# Altium PCB sommotor.PcbDoc (part 2 of 3) (continued)
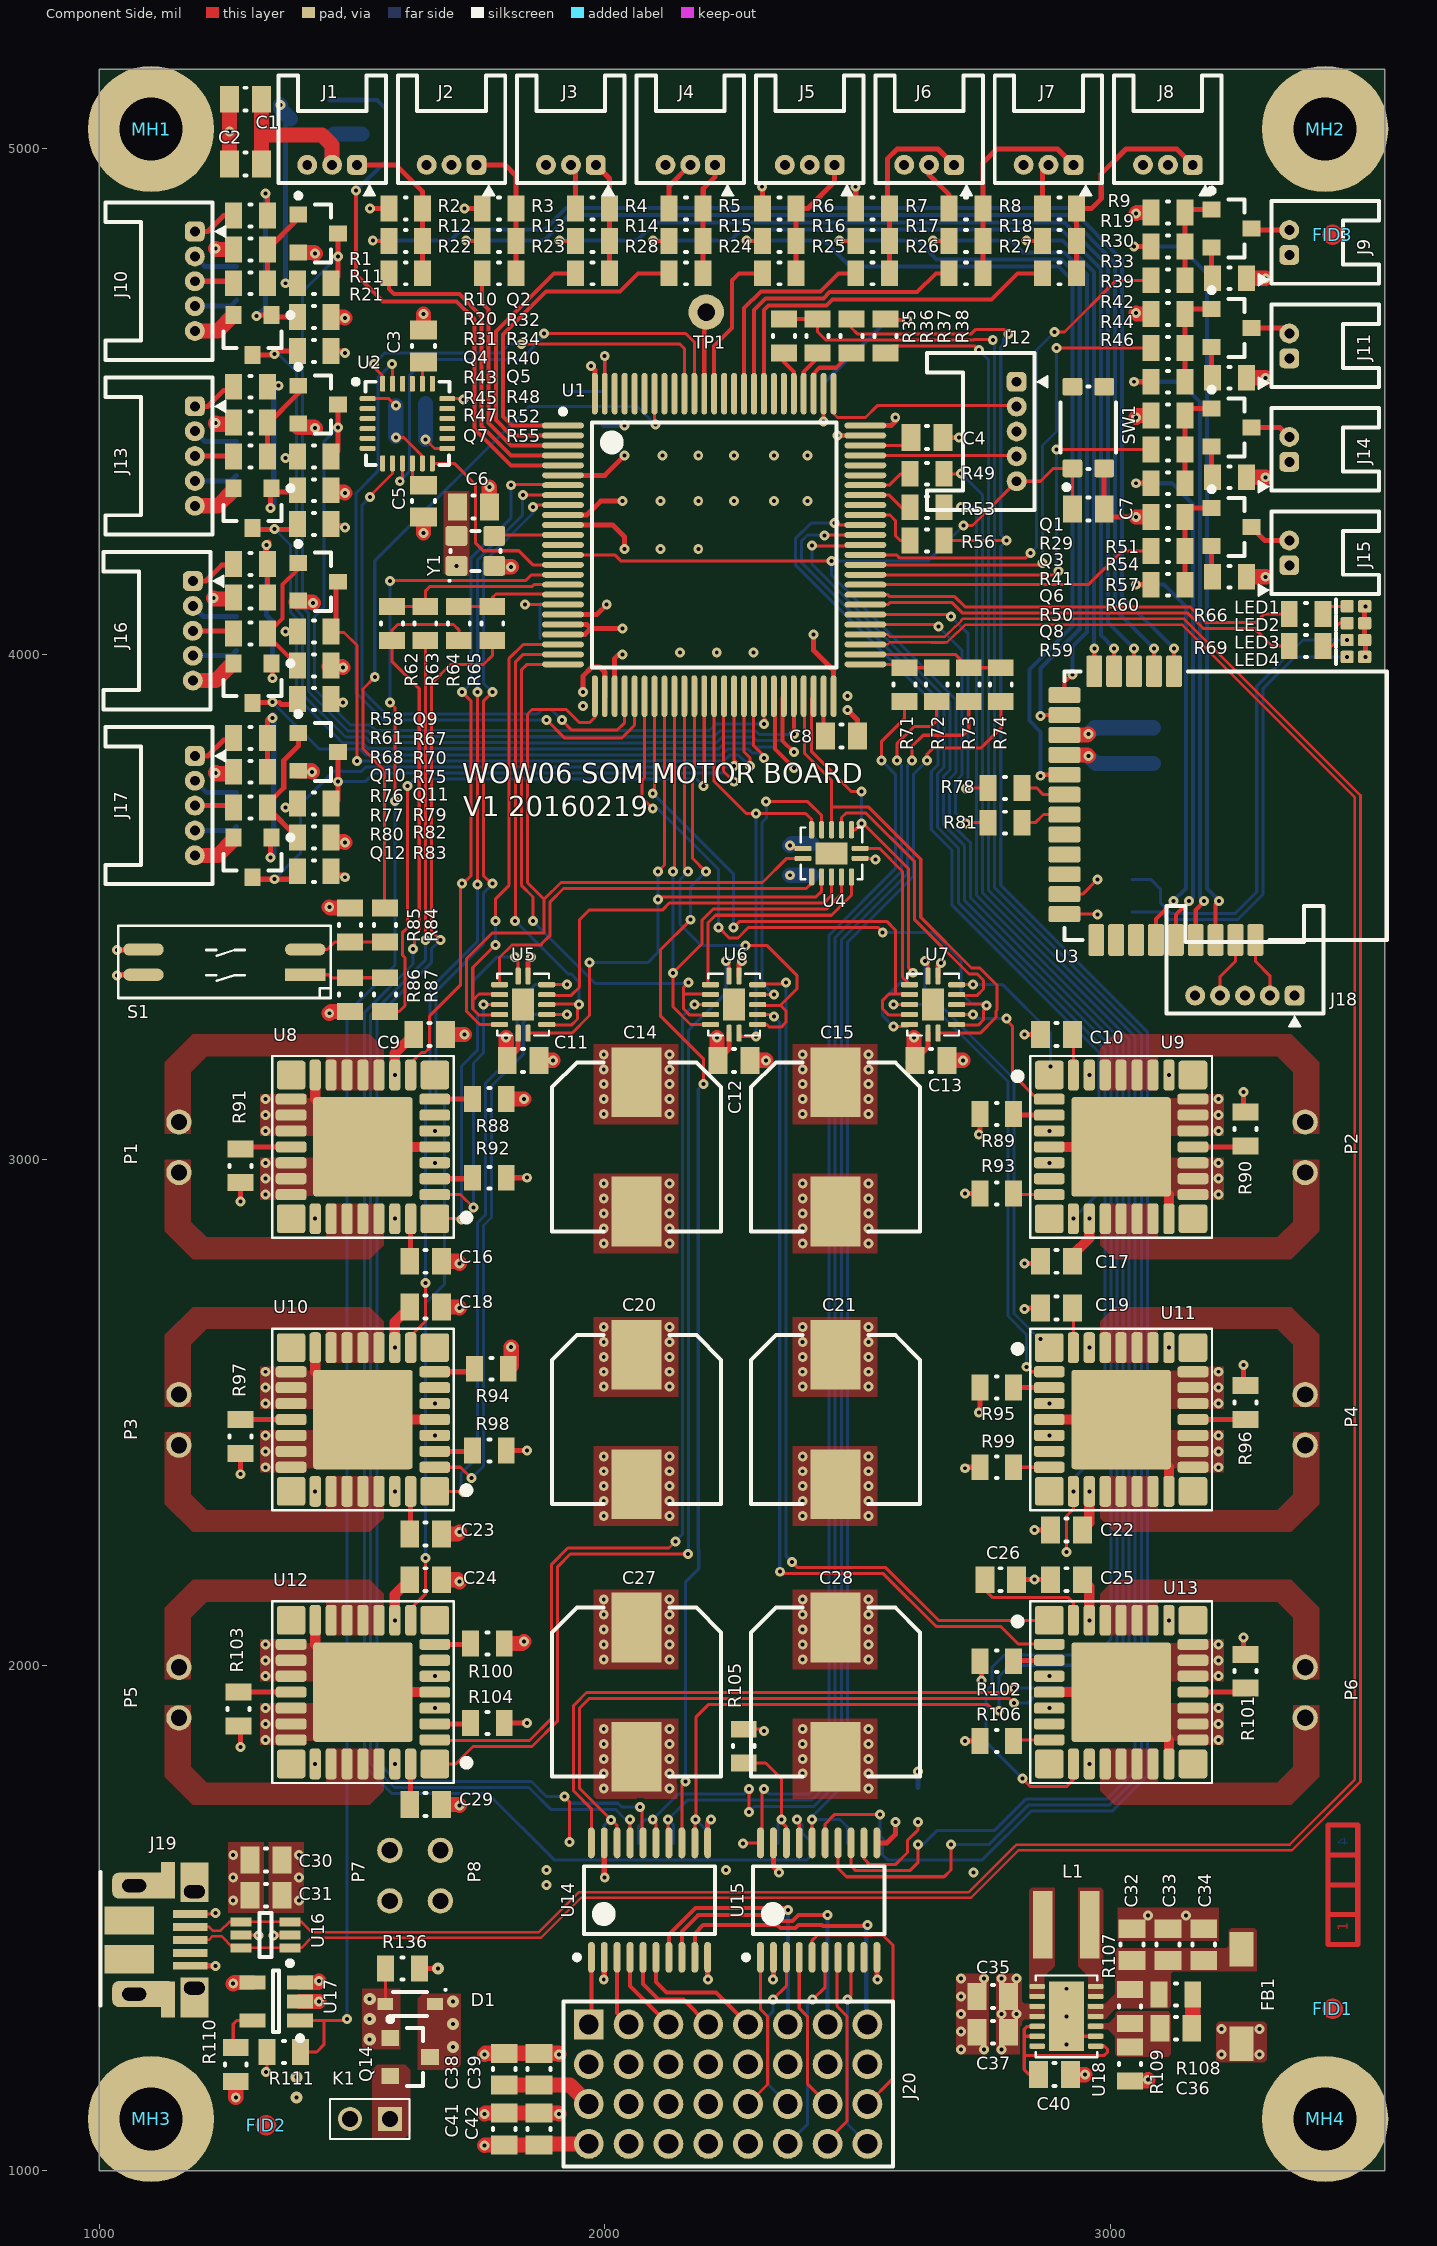
[diagram p0: Component Side view]
## Nets (pads, with @x,y where several pads share a name; then routed paths per layer and width w, separated by ;. In a path a pad name is that pad's centre, name@x,y a point inside that pad or via, vN(x,y) a via of type N, cw(c..) or ccw(c..) an arc to the next point about the centre after c; other vN are vias at no path point) (continued)
  Solder Side w6: R127.2@2480.31,1647.64 2480.31,1680 2465.31,1695 v1(2410,1695) 2410,1700 2480,1770 2480,3429.85 2611,3560.85 2611,3763 v1(2638,3790)
I2S3_CLK: R37.2 R56.2 R126.2 U15.15 | length 4291.6
  Component Side w6: U15.15@2436.02,1648.62 2436.02,1686.02 2455,1705 v1(2545,1705) ; R37.2@2488.19,4663.39 2488.19,4645.67 2499.67,4634.19 2558.91,4634.19 2558.96,4634.24 2725.36,4634.24 2734.17,4643.05 2790.02,4643.05 v1(2799.21,4633.86) ; R56.2@2671.26,4225 v1(2795,4225)
  Solder Side w6: v1(2545,1705) 2545,1662.28 2554.43,1652.85 R126.2@2549.21,1647.64 2549.21,1625.79 2560,1615 2746.97,1615 2843.81,1711.84 3004.13,1711.84 3073.5,1781.21 3073.5,3253.27 2783.46,3543.31 2783.46,3635.88 2784,3636.42 2784,3693.58 2783.46,3694.12 2783.46,3705.88 2784,3706.42 2784,3763.58 2783.46,3764.12 2783.46,4213.46 v1(2795,4225) 2783.46,4236.54 2783.46,4608.1 2788.72,4613.35 2788.72,4623.36 v1(2799.21,4633.86)
I2S3_SD: R35.2 R36.2 R124.2 U15.14 | length 4176.1
  Component Side w6: R36.2@2421.26,4663.39 2421.26,4637.8 2436.87,4622.19 2563.88,4622.19 2563.93,4622.24 2730.33,4622.24 2731.46,4623.36 2766.4,4623.36 v1(2767.72,4622.05) ; U15.14@2461.61,1648.62 2461.61,1598.39 2478.44,1581.56 2671.56,1581.56 2685,1595 v1(2685,1645)
  Component Side w8: R35.2@2354.33,4663.39 R36.2@2421.26,4663.39
  Solder Side w6: v1(2685,1645) 2760,1645 2838.84,1723.84 2999.16,1723.84 3061.5,1786.18 3061.5,3248.3 2771.46,3538.34 2771.46,3640.85 2772,3641.39 2772,3688.61 2771.46,3689.15 2771.46,3710.85 2772,3711.39 2772,3758.61 2771.46,3759.15 2771.46,4618.3 v1(2767.72,4622.05)
I2S3_WS: R38.1 U1.77 | length 391.6
  Component Side w8: v1(2433.07,4460.63) U1.77@2433.07,4515.75 ; R38.1@2555.12,4663.39 2557.09,4661.42 v1(2598.43,4661.42)
  Solder Side w8: v1(2433.07,4460.63) 2433.07,4535.43 2559.06,4661.42 v1(2598.43,4661.42)
IMU_INT#: U1.15 U2.12 | length 409.2
  Component Side w6: U2.12@1658.96,4377.95 1702.05,4377.95 1743.95,4336.05 1743.95,4220.61 1759.56,4205 1830,4205 1857.83,4177.17 U1.15@1917.32,4177.17
IMU_MISO: U1.90 U2.9 | length 965.5
  Component Side w6: v1(1594.48,4342.51) 1599.9,4347.93 U2.9@1599.9,4377.95 ; v1(1880,4635) 2160,4635 2177.17,4617.83 U1.90@2177.17,4515.75
  Solder Side w6: v1(1594.48,4342.51) 1614.17,4362.2 1614.17,4552.5 1645.48,4583.8 1834.5,4583.8 1880,4629.3 v1(1880,4635)
IMU_MOSI: U1.91 U2.24 | length 773.8
  Component Side w6: v1(1543.31,4574.8) 1542.25,4574.8 1539.37,4571.92 1560.53,4550.76 U2.24@1560.53,4535.43 ; v1(1835,4614) 2148.56,4614 2157.48,4605.08 U1.91@2157.48,4515.75
  Solder Side w6: v1(1543.31,4574.8) 1564.31,4595.8 1792.65,4595.8 1810.85,4614 v1(1835,4614)
IMU_SCLK: U1.30 U2.23 | length 1376
  Component Side w6: v1(1578.74,4574.8) 1580.22,4573.33 U2.23@1580.22,4535.43 ; v1(1885,3870) 1920,3835 2034.06,3835 2059.06,3860 U1.30@2059.06,3917.32
  Solder Side w6: v1(1578.74,4574.8) 1551.18,4547.24 1551.18,4362.39 1507.68,4318.9 1507.68,3924.16 1561.85,3870 v1(1885,3870)
IMU_SS#: U1.29 U2.8 | length 1092.3
  Component Side w6: v1(1535.43,4311.02) 1535.43,4313.16 1580.22,4357.94 U2.8@1580.22,4377.95 ; v1(1915,3870) 1935,3850 2024.37,3850 2039.37,3865 U1.29@2039.37,3917.32
  Solder Side w6: v1(1535.43,4311.02) 1519.68,4295.28 1519.68,3929.13 1566.82,3882 1867.3,3882 1876.3,3891 1893.7,3891 1902.85,3881.85 1903.15,3881.85 v1(1915,3870)
LED1: R66.2 U1.58 | length 868.1
  Component Side w6: U1.58@2515.75,4118.11 2560.09,4118.11 2563.93,4114.27 2692.4,4114.27 2713.11,4093.56 3158.42,4093.56 3188.49,4063.49 3288.49,4063.49 3305.12,4080.12 R66.2@3354.33,4080.12
LED2: R69.2 U1.57 | length 875.8
  Component Side w6: U1.57@2515.75,4098.43 2560.09,4098.43 2563.93,4102.27 2687.43,4102.27 2708.14,4081.56 3153.44,4081.56 3175,4060 3183.51,4051.49 3285,4051.49 3320.11,4016.38 R69.2@3354.33,4016.38
LED3: R121.2 U3.16 | length 77.7
  Component Side w6: U3.16@2909.45,3525.59 2945.59,3525.59 v1(2975,3555)
LED4: R122.2 U3.17 | length 66.1
  Component Side w6: U3.17@2909.45,3486.22 2973.78,3486.22 v1(2975,3485)
M1+: P1.1 U8.12 U8.13 U8.14 U8.15
M1-: P1.2 U8.27 U8.28 U8.29 U8.30
M2+: P3.1 U10.12 U10.13 U10.14 U10.15
M2-: P3.2 U10.27 U10.28 U10.29 U10.30
M3+: P5.1 U12.12 U12.13 U12.14 U12.15
M3-: P5.2 U12.27 U12.28 U12.29 U12.30
M4+: P2.1 U9.12 U9.13 U9.14 U9.15
M4-: P2.2 U9.27 U9.28 U9.29 U9.30
M5+: P4.1 U11.12 U11.13 U11.14 U11.15
M5-: P4.2 U11.27 U11.28 U11.29 U11.30
M6+: P6.1 U13.12 U13.13 U13.14 U13.15
M6-: P6.2 U13.27 U13.28 U13.29 U13.30
NetC3_1: C3.1 U2.20 | length 56.1
  Component Side w6: U2.20@1639.27,4535.43 1639.27,4588.09 C3.1@1641.73,4590.55
NetC4_2: C4.2 U1.73 | length 97.1
  Component Side w6: U1.73@2515.75,4413.39 2590.55,4413.39 C4.2@2606.3,4429.13
NetC5_1: C5.1 U2.10 | length 43.9
  Component Side w6: C5.1@1618.11,4334.65 1619.59,4336.12 U2.10@1619.59,4377.95
NetC8_2: C8.2 U1.49 | length 80.4
  Component Side w8: U1.49@2433.07,3917.32 2433.07,3842.52 C8.2@2437.01,3838.58
NetC10_2: C10.2 U9.32 | length 81.1
  Component Side w6: C10.2@2925.2,3248.03 2927.17,3246.06 U9.32@2927.17,3167.72
NetC16_2: C16.2 U8.32 | length 85.1
  Component Side w10: U8.32@1616.14,2883.46 1616.14,2801.18 C16.2@1618.11,2799.21
NetC19_2: C19.2 U11.32 | length 79.2
  Component Side w6: C19.2@2925.2,2706.69 2927.17,2704.72 U11.32@2927.17,2628.35
NetC23_2: C23.2 U10.32 | length 88.3
  Component Side w10: U10.32@1616.14,2344.09 1616.14,2269.69 C23.2@1625.98,2259.84
NetC26_2: C26.2 U13.32 | length 240.6
  Component Side w6: C26.2@2751.97,2169.29 2751.97,2149.61 2767.86,2133.72 2904.32,2133.72 2904.46,2133.86 2917.32,2133.86 2927.17,2124.02 U13.32@2927.17,2088.98
NetC29_2: C29.2 U12.32 | length 81.1
  Component Side w10: C29.2@1614.17,1724.41 1616.14,1726.38 U12.32@1616.14,1804.72
NetC32_2: C32.2 C33.2 C34.2 FB1.1 R107.2 R108.2 U18.4 U18.5
NetC35_2: C35.2 C37.2 D1.1 Q14.3 U18.10 U18.11
  other v1: 2785,1240 2785,1310 2815,1310 2785,1380 2815,1380
  other v2: 1700,1245 1700,1290 1700,1335
NetC36_1: C36.1 R107.1 R109.2 U18.3
NetC36_2: C36.2 R108.1 | length 67.7
  Component Side w30: C36.2@3161.41,1281.77 3163.38,1283.74 R108.1@3163.38,1348.7
NetC40_1: C40.1 U18.1 U18.12 U18.13 | length 364.6
  Component Side w6: 2831.29,1227.5 2987.5,1227.5 2995,1235 2995,1240 2988.66,1246.34 U18.1@2971.26,1246.34 ; U18.13@2855.51,1266.02 2831.02,1266.02 2830,1265 ; U18.12@2855.51,1285.71 2835.71,1285.71 2830,1280 2830,1265 ; C40.1@2858.5,1190 2840,1190 2830,1200 2830,1240.07 2830,1265
NetJ1_1: J1.1 R1.1 R11.1 R21.1 | length 313.4
  Component Side w10: J1.1@1509.84,4968.5 1586.62,4968.5 1639.76,4915.35 R1.1@1639.76,4882.32 R11.1@1639.76,4818.13 R21.1@1639.76,4753.94
NetJ2_1: J2.1 R2.1 R12.1 R22.1 | length 280.5
  Component Side w10: J2.1@1746.06,4968.5 1803.15,4968.5 1824.52,4947.13 R2.1@1824.52,4882.32 R12.1@1824.52,4818.13 R22.1@1824.52,4753.94
NetJ3_1: J3.1 R3.1 R13.1 R23.1 | length 225.7
  Component Side w10: J3.1@1982.28,4968.5 2009.28,4941.5 R3.1@2009.28,4882.32 R13.1@2009.28,4818.13 R23.1@2009.28,4753.94
NetJ4_1: J4.1 R4.1 R14.1 R28.1 | length 224.7
  Component Side w10: R28.1@2194.04,4753.94 R14.1@2194.04,4818.13 R4.1@2194.04,4882.32 2194.88,4883.16 2194.88,4921.26 2218.5,4944.88 J4.1@2218.5,4968.5
NetJ5_1: J5.1 R5.1 R15.1 R24.1 | length 259.6
  Component Side w10: R24.1@2378.8,4753.94 R15.1@2378.8,4818.13 R5.1@2378.8,4882.32 2402,4882.32 2454.72,4935.04 J5.1@2454.72,4968.5
NetJ6_1: J6.1 R6.1 R16.1 R25.1 | length 381.3
  Component Side w10: R25.1@2563.55,4753.94 R16.1@2563.55,4818.13 R6.1@2563.55,4882.32 2559.06,4886.82 2559.06,4980.31 2578.74,5000 2659.45,5000 J6.1@2690.94,4968.5
NetJ7_1: J7.1 R7.1 R17.1 R26.1 | length 422
  Component Side w10: R26.1@2748.31,4753.94 R17.1@2748.31,4818.13 R7.1@2748.31,4882.32 2748.31,4972.72 2775.59,5000 2895.67,5000 J7.1@2927.16,4968.5
NetJ8_1: J8.1 R8.1 R18.1 R27.1 | length 449.7
  Component Side w10: R27.1@2933.07,4753.94 R18.1@2933.07,4818.13 R8.1@2933.07,4882.32 2933.5,4881.89 2962.6,4881.89 2982.28,4901.57 2982.28,4950.79 3031.5,5000 3131.89,5000 J8.1@3163.39,4968.5
NetJ9_2: J9.2 Q1.3 | length 76
  Component Side w10: Q1.3@3279.53,4842.52 3282.4,4839.65 J9.2@3354.33,4839.65
NetJ10_1: J10.1 R10.1 | length 89.8
  Component Side w10: J10.1@1188.98,4836.61 1214.57,4836.61 1246.06,4868.11 R10.1@1265.75,4868.11
NetJ10_3: J10.3 R31.1 | length 78.4
  Component Side w10: J10.3@1188.98,4738.19 1261.81,4738.19 R31.1@1265.75,4734.25
NetJ10_4: J10.4 R113.1 | length 87.6
  Solder Side w10: J10.4@1188.98,4688.98 1259.84,4688.98 R113.1@1271.65,4700.79
NetJ11_2: J11.2 Q3.3 | length 79.3
  Component Side w10: Q3.3@3279.53,4645.67 3343.58,4645.67 J11.2@3354.33,4634.92
NetJ13_1: J13.1 R43.1 | length 89.8
  Component Side w10: J13.1@1188.98,4490.81 1214.57,4490.81 1246.06,4522.31 R43.1@1265.75,4522.31
NetJ13_3: J13.3 R47.1 | length 78.4
  Component Side w10: J13.3@1188.98,4392.39 1261.81,4392.39 R47.1@1265.75,4388.45
NetJ13_4: J13.4 R116.1 | length 87.3
  Solder Side w10: J13.4@1188.98,4343.18 1260.5,4343.18 R116.1@1271.65,4354.33
NetJ14_2: J14.2 Q6.3 | length 82.5
  Component Side w10: Q6.3@3279.53,4448.82 3335.71,4448.82 J14.2@3354.33,4430.2
NetJ15_2: J15.2 Q8.3 | length 85.8
  Component Side w10: Q8.3@3279.53,4251.97 3306.02,4225.47 J15.2@3354.33,4225.47
NetJ16_1: J16.1 R58.1 | length 89.8
  Component Side w10: J16.1@1185.04,4145.01 1210.63,4145.01 1242.13,4176.51 R58.1@1261.81,4176.51
NetJ16_3: J16.3 R68.1 | length 78.4
  Component Side w10: J16.3@1185.04,4046.59 1257.87,4046.59 R68.1@1261.81,4042.65
NetJ16_4: J16.4 R118.1 | length 91
  Solder Side w10: J16.4@1185.04,3997.38 1261.15,3997.38 R118.1@1271.65,4007.87
NetJ17_1: J17.1 R76.1 | length 89.8
  Component Side w10: J17.1@1188.98,3799.21 1214.57,3799.21 1246.06,3830.71 R76.1@1265.75,3830.71
NetJ17_3: J17.3 R80.1 | length 78.4
  Component Side w10: J17.3@1188.98,3700.79 1261.81,3700.79 R80.1@1265.75,3696.85
NetJ17_4: J17.4 R120.1 | length 85.9
  Solder Side w10: J17.4@1188.98,3651.57 1263.78,3651.57 R120.1@1271.65,3659.45
NetJ20_1: J20.1 U14.1 | length 134.9
  Component Side w8: J20.1@1968.5,1289.37 1973.43,1294.29 U14.1@1973.43,1422.24
NetJ20_5: J20.5 U14.3 | length 142.3
  Component Side w8: U14.3@2024.61,1422.24 2024.61,1312.01 J20.5@2047.24,1289.37
NetJ20_9: J20.9 U14.4 | length 164.3
  Component Side w8: U14.4@2050.2,1422.24 2050.2,1365.16 J20.9@2125.98,1289.37
NetJ20_13: J20.13 U14.5 | length 215.1
  Component Side w8: U14.5@2075.79,1422.24 2075.79,1369.09 2106.3,1338.58 2155.51,1338.58 J20.13@2204.72,1289.37
NetJ20_17: J20.17 U14.6 | length 266
  Component Side w8: U14.6@2101.38,1422.24 2101.38,1373.03 2121.83,1352.58 2220.25,1352.58 J20.17@2283.46,1289.37
NetJ20_19: J20.19 U15.1 | length 312.1
  Component Side w6: J20.19@2283.46,1131.89 2321.99,1170.42 2321.99,1305.33 2308.07,1319.25 U15.1@2308.07,1422.24
NetJ20_21: J20.21 U14.7 | length 530.4
  Component Side w8: U14.7@2126.97,1422.24 2126.97,1467.63 2179.24,1519.91 2358.05,1519.91 v1(2362.2,1515.75)
  Solder Side w8: J20.21@2362.2,1289.37 v1(2362.2,1515.75)
NetJ20_23: J20.23 U15.3 | length 321
  Component Side w6: v1(2332.68,1338.58) 2359.25,1365.16 U15.3@2359.25,1422.24
  Solder Side w6: v1(2332.68,1338.58) 2332.68,1314.33 2323.68,1305.33 2323.68,1170.42 J20.23@2362.2,1131.89
NetJ20_24: J20.24 U15.6 | length 399.7
  Component Side w6: v1(2411.42,1338.58) 2436.02,1363.19 U15.6@2436.02,1422.24
  Solder Side w6: J20.24@2362.2,1053.15 2401.57,1092.52 2401.57,1328.74 v1(2411.42,1338.58)
NetJ20_25: J20.25 U14.8 | length 579.6
  Component Side w8: U14.8@2152.56,1422.24 2152.56,1473.43 2185.04,1505.91 2340.93,1505.91 2353.09,1493.75 2371.32,1493.75 2383.47,1505.91 v1(2440.94,1505.91)
  Solder Side w8: J20.25@2440.94,1289.37 v1(2440.94,1505.91)
NetJ20_27: J20.27 U15.4 | length 313.6
  Component Side w6: U15.4@2384.84,1422.24 2384.84,1321.22 2400.73,1305.33 2400.73,1172.1 J20.27@2440.94,1131.89
NetJ20_28: J20.28 U15.7 | length 394.4
  Component Side w6: J20.28@2440.94,1053.15 2440.94,1059.55 2479.47,1098.07 2479.47,1305.33 2459.32,1325.49 2459.32,1419.94 U15.7@2461.61,1422.24
NetJ20_29: J20.29 U14.9 | length 601.8
  Component Side w8: U14.9@2178.15,1422.24 2178.15,1469.49 2194.88,1486.22 2340.82,1486.22 2347.29,1479.75 2377.12,1479.75 2383.59,1486.22 2429.52,1486.22 2431.83,1483.91 2517.37,1483.91 v1(2519.68,1486.22)
  Solder Side w8: J20.29@2519.68,1289.37 2517.37,1291.68 2517.37,1483.91 v1(2519.68,1486.22)
NetJ20_31: J20.31 U15.5 | length 542.4
  Component Side w6: U15.5@2410.43,1422.24 2410.43,1455.71 2421.26,1466.54 2509.67,1466.54 2510.99,1465.22 2528.38,1465.22 2529.7,1466.54 2550,1466.54 2570,1446.54 2570,1182.2 J20.31@2519.68,1131.89
NetJ20_32: J20.32 U15.8 | length 388.3
  Component Side w6: v1(2480.32,1338.58) 2487.2,1345.47 U15.8@2487.2,1422.24
  Solder Side w6: v1(2480.32,1338.58) 2480.32,1092.52 J20.32@2519.68,1053.15
NetL1_1: L1.1 U18.8 U18.9
NetL1_2: L1.2 U18.6 U18.7
NetLED1_K: LED1.K R66.1 | length 53.9
  Component Side w6: R66.1@3421.26,4080.12 3436.26,4095.12 LED1.K@3468.9,4095.12
NetLED2_K: LED2.K R69.1 | length 84
  Component Side w6: R69.1@3421.26,4016.38 3438.28,4016.38 3446.91,4025 3446.91,4042.52 3446.99,4042.6 3446.99,4055 3453.74,4061.75 LED2.K@3468.9,4061.75
NetLED3_K: LED3.K R121.1 | length 932.2
  Solder Side w6: R121.1@3043.46,3555 3080,3555 3100,3535 3100,3507.72 3120.72,3487 3247,3487 3290,3530 3290,3936.97 3381.4,4028.37 v1(3468.9,4028.37)
NetLED4_K: LED4.K R122.1 | length 885.4
  Solder Side w6: R122.1@3043.46,3490 3100.75,3490 3115.75,3475 3251.97,3475 3302,3525.03 3302,3932 3365,3995 v1(3468.9,3995)
NetQ1_1: Q1.1 R9.2 R19.2 R30.2 | length 189.5
  Component Side w10: R30.2@3147.64,4740.16 R19.2@3147.64,4807.09 R9.2@3147.64,4874.02 3153.54,4879.92 Q1.1@3200.79,4879.92
NetQ1_2: Q1.2 R29.1 | length 61.8
  Component Side w10: Q1.2@3200.79,4805.12 3200.79,4746.06 R29.1@3202.76,4744.09
NetQ2_1: Q2.1 R20.1 R31.2 | length 161.1
  Component Side w10: R31.2@1332.68,4734.25 R20.1@1332.68,4801.18 1393.7,4862.2 Q2.1@1393.7,4870.08
NetQ2_3: Q2.3 R32.2 U1.46 | length 2079.5
  Component Side w8: v1(2374.02,3842.52) U1.46@2374.02,3917.32
  Component Side w10: R32.2@1458.66,4734.25 1472.44,4748.03 Q2.3@1472.44,4832.68
  Solder Side w6: v1(1472.44,4787.4) 1402.23,4717.19 1402.23,4093.01 1413.76,4081.47 1413.76,3926.71 1492.14,3848.33 1531.21,3848.33 1542.27,3837.27 1846.06,3837.27 1846.33,3837 2075.56,3837 2076.13,3837.58 2160.09,3837.58 2160.4,3837.27 2216.07,3837.27 2227.32,3848.52 2298.93,3848.52 2306.26,3841.2 2372.69,3841.2 v1(2374.02,3842.52)
NetQ3_1: Q3.1 R33.2 R39.2 R42.2 | length 191.1
  Component Side w10: R42.2@3147.64,4539.37 R39.2@3147.64,4606.3 R33.2@3147.64,4673.23 3157.48,4683.07 Q3.1@3200.79,4683.07
NetQ3_2: Q3.2 R41.1 | length 61.8
  Component Side w10: Q3.2@3200.79,4608.27 3200.79,4549.21 R41.1@3202.76,4547.24
NetQ4_1: Q4.1 R10.2 R34.1 | length 381.5
  Component Side w10: v1(1311.02,4669.28) 1313,4671.26 Q4.1@1336.61,4671.26 ; v1(1328.74,4911.42) 1332.68,4907.48 R10.2@1332.68,4868.11 ; Q4.1@1340.55,4671.26 Q4.1@1336.61,4671.26 ; R34.1@1391.73,4667.32 1340.55,4667.32 Q4.1@1336.61,4671.26
  Solder Side w10: v1(1311.02,4669.28) 1328.74,4687 v1(1328.74,4911.42)
NetQ4_3: Q4.3 R40.1 U1.45 | length 1942
  Component Side w8: U1.45@2354.33,3917.32 2352.02,3915.01 2352.02,3829.09 v1(2374.02,3807.09)
  Component Side w10: Q4.3@1303.15,4592.52 1344.49,4592.52 v1(1346.46,4594.49) 1352.36,4600.39 R40.1@1391.73,4600.39
  Solder Side w6: v1(1346.46,4594.49) 1354.33,4594.49 1390.23,4558.59 1390.23,4088.04 1401.76,4076.5 1401.76,3921.74 1487.17,3836.33 1526.24,3836.33 1537.3,3825.27 1841.09,3825.27 1841.36,3825 2080.53,3825 2081.11,3825.58 2155.12,3825.58 2155.42,3825.27 2221.04,3825.27 2232.29,3836.52 2293.96,3836.52 2301.29,3829.2 2351.91,3829.2 v1(2374.02,3807.09)
NetQ5_1: Q5.1 R45.1 R47.2 | length 161.1
  Component Side w10: R47.2@1332.68,4388.45 1332.68,4455.38 1393.7,4516.4 Q5.1@1393.7,4524.28
NetQ5_3: Q5.3 R48.2 U1.43 | length 1628.4
  Component Side w6: v1(2314.96,3862.2) 2314.96,3866.15 2318.89,3870.08 2314.96,3874.02 U1.43@2314.96,3917.32
  Component Side w10: R48.2@1458.66,4388.45 1472.44,4402.23 Q5.3@1472.44,4486.88
  Solder Side w6: v1(1472.44,4448.82) 1444.23,4420.61 1444.23,4093.01 1425.76,4074.54 1425.76,3931.68 1497.11,3860.33 1536.18,3860.33 1547.24,3849.27 1851.03,3849.27 1851.3,3849 1898.7,3849 1898.97,3849.27 1900.56,3849.27 1900.83,3849 1964.73,3849 1965.31,3849.58 2165.06,3849.58 2165.37,3849.27 2207.07,3849.27 2220,3862.2 v1(2314.96,3862.2)
NetQ6_1: Q6.1 R44.2 R46.2 R51.2 | length 192.7
  Component Side w10: R51.2@3147.64,4338.58 R44.2@3147.64,4472.44 3161.42,4486.22 Q6.1@3200.79,4486.22
NetQ6_2: Q6.2 R50.1 | length 61.8
  Component Side w10: Q6.2@3200.79,4411.42 3200.79,4352.36 R50.1@3202.76,4350.39
NetQ7_1: Q7.1 R43.2 R52.1 | length 357.9
  Component Side w10: R43.2@1332.68,4529.53 1352.36,4529.53 v1(1354.33,4531.5) ; v1(1338.58,4290.03) 1338.58,4323.49 1340.55,4321.52 R52.1@1391.73,4321.52
  Solder Side w10: v1(1338.58,4290.03) 1345.11,4296.55 1345.11,4522.27 v1(1354.33,4531.5)
NetQ7_3: Q7.3 R55.1 U1.44 | length 1651.6
  Component Side w8: U1.44@2334.65,3917.32 2336.96,3915.01 2336.96,3812.65 v1(2374.02,3775.59)
  Component Side w10: Q7.3@1303.15,4246.72 1383.86,4246.72 R55.1@1391.73,4254.59
  Solder Side w6: v1(1346.46,4248.03) 1378.23,4216.26 1378.23,4083.07 1389.76,4071.53 1389.76,3916.77 1482.2,3824.33 1521.27,3824.33 1532.33,3813.27 1836.12,3813.27 1836.39,3813 2085.5,3813 2086.08,3813.58 2150.14,3813.58 2150.45,3813.27 2226.01,3813.27 2237.26,3824.52 2288.99,3824.52 2296.32,3817.2 2332.41,3817.2 v1(2374.02,3775.59)
NetQ8_1: Q8.1 R54.2 R57.2 R60.2 | length 194.3
  Component Side w10: R60.2@3147.64,4137.8 R57.2@3147.64,4204.72 R54.2@3147.64,4271.65 3165.35,4289.37 Q8.1@3200.79,4289.37
NetQ8_2: Q8.2 R59.1 | length 61.8
  Component Side w10: Q8.2@3200.79,4214.57 3200.79,4155.51 R59.1@3202.76,4153.54
NetQ9_1: Q9.1 R68.2 R70.1 | length 260.6
  Component Side w8: R70.1@1391.73,3978.35 1391.73,3978.71 1360.44,4010 1360.08,4010 1332.68,4037.4 R68.2@1332.68,4041.34 1362.2,4070.87 1362.2,4137.8 1393.7,4169.29 Q9.1@1393.7,4181.1
  Component Side w10: Q9.1@1389.76,4170.6 Q9.1@1389.76,4178.48
NetQ9_3: Q9.3 R67.2 U1.41 | length 1331.9
  Component Side w6: R67.2@1454.72,4042.65 1455.38,4043.31 1484.25,4043.31 1509.7,4017.85 v1(1509.7,3789.23) ; U1.41@2275.59,3917.32 2275.59,3807.09 2287.4,3795.28 v1(2287.4,3779.52)
  Component Side w10: R67.2@1455.38,4043.31 1468.5,4056.43 Q9.3@1468.5,4141.08
  Solder Side w6: v1(1509.7,3789.23) 1509.74,3789.27 1826.18,3789.27 1826.45,3789 2095.44,3789 2096.02,3789.58 2140.2,3789.58 2140.51,3789.27 2235.95,3789.27 2247.2,3800.52 2264.6,3800.52 2275.85,3789.27 2277.65,3789.27 v1(2287.4,3779.52)
NetQ10_1: Q10.1 R58.2 R61.1 | length 451.4
  Component Side w10: v1(1330.71,4216.53) 1330.71,4178.48 1328.74,4176.51 1328.74,4215.88 1335.3,4222.44 v1@1335.96,4221.78 ; R61.1@1332.68,4112.2 R58.2@1332.68,4179.13 ; Q10.1@1336.61,3975.72 1342.52,3969.82 v1(1342.52,3952.76)
  Solder Side w10: v1(1330.71,4216.53) 1330.71,4077.14 1342.52,4065.33 v1(1342.52,3952.76)
NetQ10_3: Q10.3 R75.1 U1.42 | length 1240.9
  Component Side w6: U1.42@2295.28,3917.32 2293.96,3916 2293.96,3820.22 2314.96,3799.22 v1(2314.96,3795.27)
  Component Side w10: Q10.3@1299.21,3900.92 1303.18,3904.89 v1@1342.52,3904.89 ; 1355.98,3904.89 1359.95,3900.92 1379.92,3900.92 R75.1@1387.8,3908.79
  Solder Side w6: v1(1342.52,3905.51) 1435.7,3812.33 1516.3,3812.33 1527.36,3801.27 1831.15,3801.27 1831.42,3801 2090.47,3801 2091.05,3801.58 2145.17,3801.58 2145.48,3801.27 2230.98,3801.27 2242.23,3812.52 2284.02,3812.52 2291.35,3805.2 2305.03,3805.2 v1(2314.96,3795.27)
NetQ11_1: Q11.1 R80.2 R82.1 | length 256.4
  Component Side w10: R82.1@1391.73,3637.8 R80.2@1332.68,3696.85 1332.68,3703.55 1364.98,3735.86 1364.98,3789.99 1393.7,3818.71 Q11.1@1393.7,3844.49
NetQ11_3: Q11.3 R79.2 U1.39 | length 1080.5
  Component Side w6: U1.39@2236.22,3917.32 2234.9,3916 2234.9,3769.04 v1(2255.91,3748.03)
  Component Side w10: R79.2@1458.66,3696.85 1472.44,3710.63 Q11.3@1472.44,3795.28
  Solder Side w6: v1(1472.44,3748.03) 1526.07,3748.03 1543.31,3765.27 1816.24,3765.27 ; 1816.51,3765 2105.38,3765 2105.96,3765.58 2130.26,3765.58 2130.57,3765.27 2238.67,3765.27 v1(2255.91,3748.03)
NetQ12_1: Q12.1 R76.2 R77.1 | length 450.9
  Component Side w10: R77.1@1332.68,3767.72 R76.2@1332.68,3834.65 1332.68,3870.08 1342.52,3879.92 v1(1342.52,3874.01) ; v1(1338.58,3598.43) 1338.58,3631.89 Q12.1@1340.55,3629.92
  Solder Side w10: v1(1338.58,3598.43) 1345.11,3604.95 1345.11,3880.54 1342.52,3877.95 v1(1342.52,3874.01)
NetQ12_3: Q12.3 R83.1 U1.40 | length 1298.2
  Component Side w6: v1(2255.9,3779.52) 2259.83,3779.52 2263.78,3783.47 2255.91,3791.34 U1.40@2255.91,3917.32
  Component Side w10: Q12.3@1303.15,3555.12 1383.86,3555.12 R83.1@1391.73,3562.99
  Solder Side w6: v1(1346.46,3555.12) 1397.64,3606.3 1397.64,3702.93 1463.74,3769.03 1481.14,3769.03 1481.94,3768.23 1518.4,3768.23 1527.44,3777.27 1821.21,3777.27 ; 1821.48,3777 2100.41,3777 2100.99,3777.58 2135.23,3777.58 2135.54,3777.27 2253.65,3777.27 v1(2255.9,3779.52)
NetQ13_1: Q13.1 R112.2 U1.5 | length 1161.9
  Component Side w8: v1(1507.87,4917.32) 1507.87,4751.97 1561.24,4698.6 1706.91,4698.6 1742.47,4663.04 1742.47,4446.16 1814.62,4374.02 U1.5@1917.32,4374.02
  Solder Side w8: v1(1507.87,4917.32) 1566.93,4976.38 1566.93,5078.74 1549.21,5096.46 R112.2@1519.68,5096.46
  Solder Side w10: Q13.1@1456.69,5096.46 R112.2@1519.68,5096.46
NetR21_2: R21.2 U1.4 | length 639.2
  Component Side w8: R21.2@1572.83,4753.94 1572.83,4722.44 1582.68,4712.6 1712.71,4712.6 1756.47,4668.84 1756.47,4451.96 1814.73,4393.7 U1.4@1917.32,4393.7
NetR22_2: R22.2 U1.3 | length 466.7
  Component Side w8: R22.2@1757.59,4753.94 1757.59,4695 1770.47,4682.12 1770.47,4457.76 1814.85,4413.39 U1.3@1917.32,4413.39
NetR23_2: R23.2 U1.2 | length 526.3
  Component Side w8: U1.2@1917.32,4433.07 1814.96,4433.07 1784.47,4463.56 1784.47,4638.8 1899.61,4753.94 R23.2@1942.35,4753.94
NetR24_2: R24.2 U1.88 | length 304.7
  Component Side w8: U1.88@2216.54,4515.75 2216.54,4610.24 2251.97,4645.67 2251.97,4740.16 2265.75,4753.94 R24.2@2311.87,4753.94
NetR25_2: R25.2 U1.85 | length 418.9
  Component Side w8: U1.85@2275.59,4515.75 2275.59,4685.04 2308.9,4718.35 2427.01,4718.35 2462.6,4753.94 R25.2@2496.63,4753.94
NetR26_2: R26.2 U1.84 | length 581.6
  Component Side w8: U1.84@2295.28,4515.75 2295.28,4681.1 2318.52,4704.35 2432.81,4704.35 2445,4716.54 2618.11,4716.54 2655.51,4753.94 R26.2@2681.38,4753.94
NetR27_2: R27.2 U1.83 | length 746.6
  Component Side w8: U1.83@2314.96,4515.75 2314.96,4680.99 2324.32,4690.35 2438.61,4690.35 2450.79,4702.54 2765.53,4702.54 2816.93,4753.94 R27.2@2866.14,4753.94
NetR28_2: R28.2 U1.1 | length 667.2
  Component Side w8: U1.1@1917.32,4452.76 1816.65,4452.76 1798.47,4470.93 1798.47,4633 1883.82,4718.35 2030.15,4718.35 2065.74,4753.94 R28.2@2127.11,4753.94
NetR30_1: R30.1 U1.62 | length 1023.7
  Component Side w6: U1.62@2515.75,4196.85 2577.43,4196.85 2583.87,4190.41 2832.14,4190.41 v1(2842.52,4200.79) ; v1(2889.76,4637.79) 2909.44,4637.79 3011.81,4740.16 R30.1@3080.71,4740.16
  Solder Side w6: v1(2842.52,4200.79) 2854.14,4212.41 2854.14,4602.17 v1(2889.76,4637.79)
NetR35_1: R35.1 U1.80 | length 88.9
  Component Side w8: R35.1@2354.33,4596.46 2354.33,4578.74 2374.02,4559.06 U1.80@2374.02,4515.75
NetR36_1: R36.1 U1.79 | length 92.1
  Component Side w8: U1.79@2393.7,4515.75 2393.7,4559.06 2421.26,4586.61 R36.1@2421.26,4596.46
NetR37_1: R37.1 U1.78 | length 131.3
  Component Side w8: U1.78@2413.39,4515.75 2413.39,4555.12 2425.35,4567.09 2458.82,4567.09 R37.1@2488.19,4596.46
NetR38_2: R38.2 R125.2 U15.13 | length 3848.5
  Component Side w6: U15.13@2487.2,1648.62 2487.2,1602.8 2496.44,1593.56 2603.56,1593.56 2620,1610 v1(2620,1645) ; R38.2@2555.12,4596.46 2568.9,4610.24 2732.28,4610.24 v1(2740.16,4602.36)
  Solder Side w6: v1(2620,1645) 2629.32,1645 2657.69,1673.37 2771.4,1673.37 2833.87,1735.84 2994.19,1735.84 3049.5,1791.15 3049.5,3243.33 2759.46,3533.37 2759.46,3645.83 2760,3646.36 2760,3683.64 2759.46,3684.17 2759.46,3715.83 2760,3716.36 2760,3753.64 2759.46,3754.17 2759.46,4583.06 v1(2740.16,4602.36)
NetR39_1: R39.1 U1.61 | length 975.6
  Component Side w6: U1.61@2515.75,4177.17 2862.2,4177.17 v1(2866.14,4181.1) ; v1(2893.7,4606.3) R39.1@3080.71,4606.3
  Solder Side w6: v1(2866.14,4181.1) 2866.14,4413.39 2893.7,4440.94 v1(2893.7,4606.3)
NetR46_1: R46.1 U1.60 | length 813.9
  Component Side w6: U1.60@2515.75,4157.48 2889.76,4157.48 v1(2897.64,4165.35) ; v1(2893.7,4405.51) R46.1@3080.71,4405.51
  Solder Side w6: v1(2893.7,4405.51) 2893.7,4169.29 v1(2897.64,4165.35)
NetR49_2: R49.2 R134.2 U14.18 | length 4016.6
  Component Side w6: U14.18@2024.61,1648.62 2024.61,1682.97 2013.57,1694 v1(2012.46,1694) 2012.46,1694.21 1950,1756.67 1950,1915 1969,1934 2801,1934 v1(2810,1925) ; R49.2@2671.26,4357.28 2703.74,4357.28 v1(2704.72,4358.27)
  Solder Side w6: R134.2@1998.03,1647.64 1998.03,1682.33 2009.7,1694 v1(2012.46,1694) ; v1(2704.72,4358.27) 2747.46,4315.53 2747.46,3749.2 2748,3748.67 2748,3721.33 2747.46,3720.8 2747.46,3679.2 2748,3678.67 2748,3651.33 2747.46,3650.8 2747.46,3528.4 3037.5,3238.36 3037.5,1993.72 2986.78,1943 2855,1943 2837,1925 v1(2810,1925)
NetR53_2: R53.2 U14.20 | length 3883.4
  Component Side w6: U14.20@1973.43,1648.62 1973.43,1716.27 1938,1751.7 1938,1919.97 1941.51,1923.49 1964.03,1946 2801,1946 v1(2810,1955) ; R53.2@2671.26,4287.4 2700.79,4287.4 v1(2704.72,4291.34)
  Solder Side w6: v1(2704.72,4291.34) 2731.72,4291.34 2735.46,4287.59 2735.46,3744.23 2736,3743.7 2736,3726.3 2735.46,3725.77 2735.46,3674.23 2736,3673.7 2736,3656.3 2735.46,3655.77 2735.46,3523.42 3025.5,3233.39 3025.5,1998.69 2981.81,1955 v1(2810,1955)
NetR56_1: R56.1 U1.66 | length 127.1
  Component Side w6: U1.66@2515.75,4275.59 2564.41,4275.59 2575,4265 2575,4235 2585,4225 R56.1@2604.33,4225
NetR57_1: R57.1 U1.59 | length 592.7
  Component Side w6: U1.59@2515.75,4137.8 2956.69,4137.8 3023.62,4204.72 R57.1@3080.71,4204.72
NetR62_1: R62.1 R63.1 U1.17 | length 374.6
  Component Side w6: R62.1@1578.74,4094.49 R63.1@1645.01,4094.49 1645.67,4095.14 1645.67,4125.98 1654.2,4134.51 1856.72,4134.51 1860,4137.8 U1.17@1917.32,4137.8
NetR64_1: R64.1 R65.1 U1.18 | length 227.3
  Component Side w6: R64.1@1711.29,4094.49 R65.1@1777.56,4094.49 1777.56,4112.2 1784.78,4119.43 1916.01,4119.43 U1.18@1917.32,4118.11
NetR71_2: R71.2 R72.2 U1.51 | length 143.9
  Component Side w6: U1.51@2515.75,3980.31 2586.61,3980.31 R71.2@2593.39,3973.54 R72.2@2656.8,3973.54